# Altium PCB PCB - v4.PcbDoc (part 1 of 2)
Units mm, origin at the board's own origin, x right, y up, seen from the top; angles counter-clockwise.
Board outline 110.49 x 52.83 mm, 4 copper layers (Top Layer, Int1 (GND), Int2 (PWR), Bottom Layer), stack 1.369 mm thick; 176 components, 118 nets, 735 pads, 435 vias.
Unrouted connection lines stored in the file: 1.
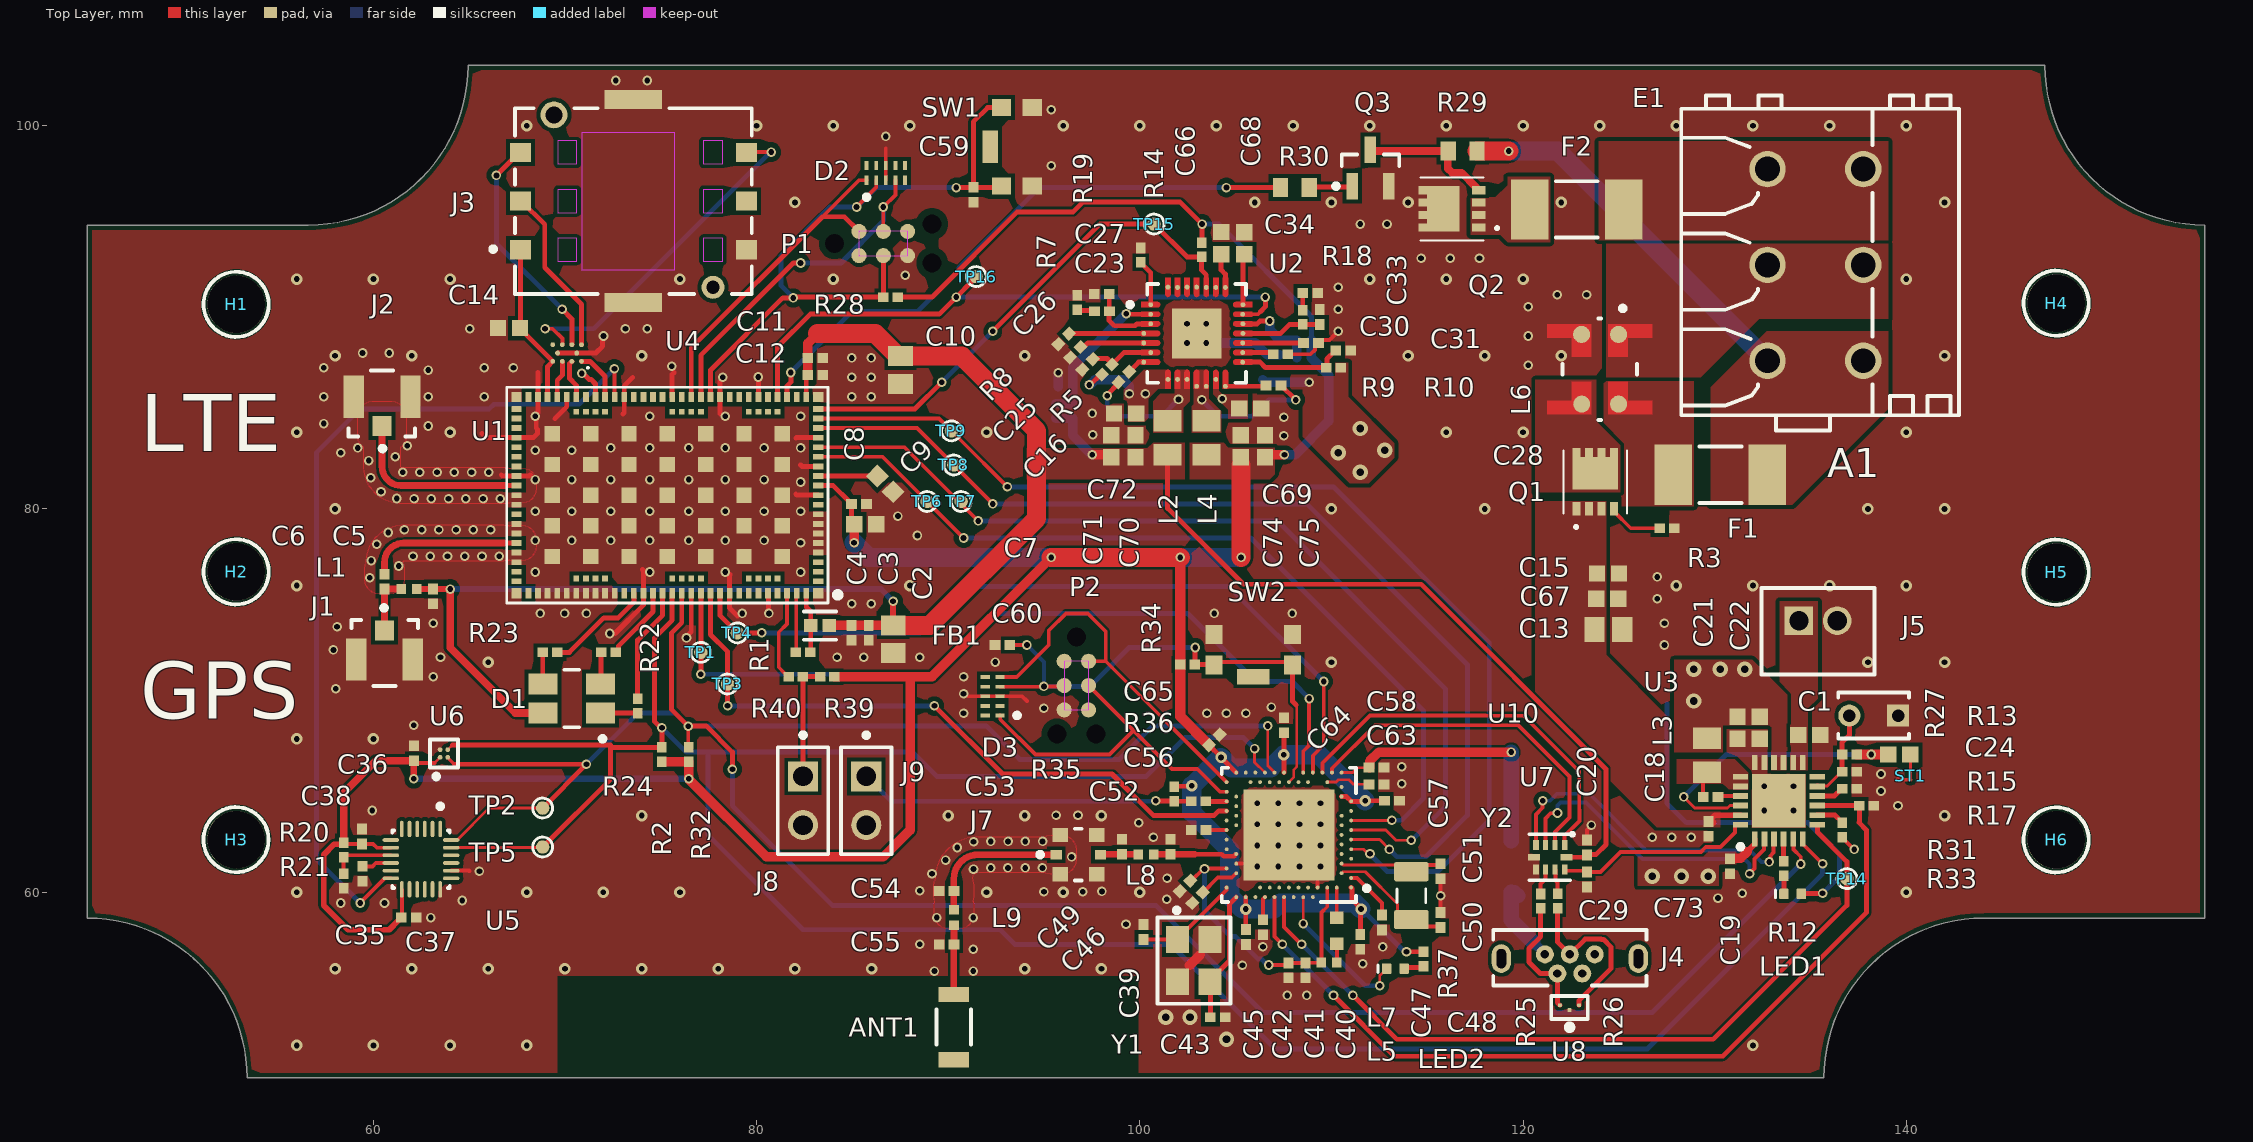
[diagram p0: Top Layer view]
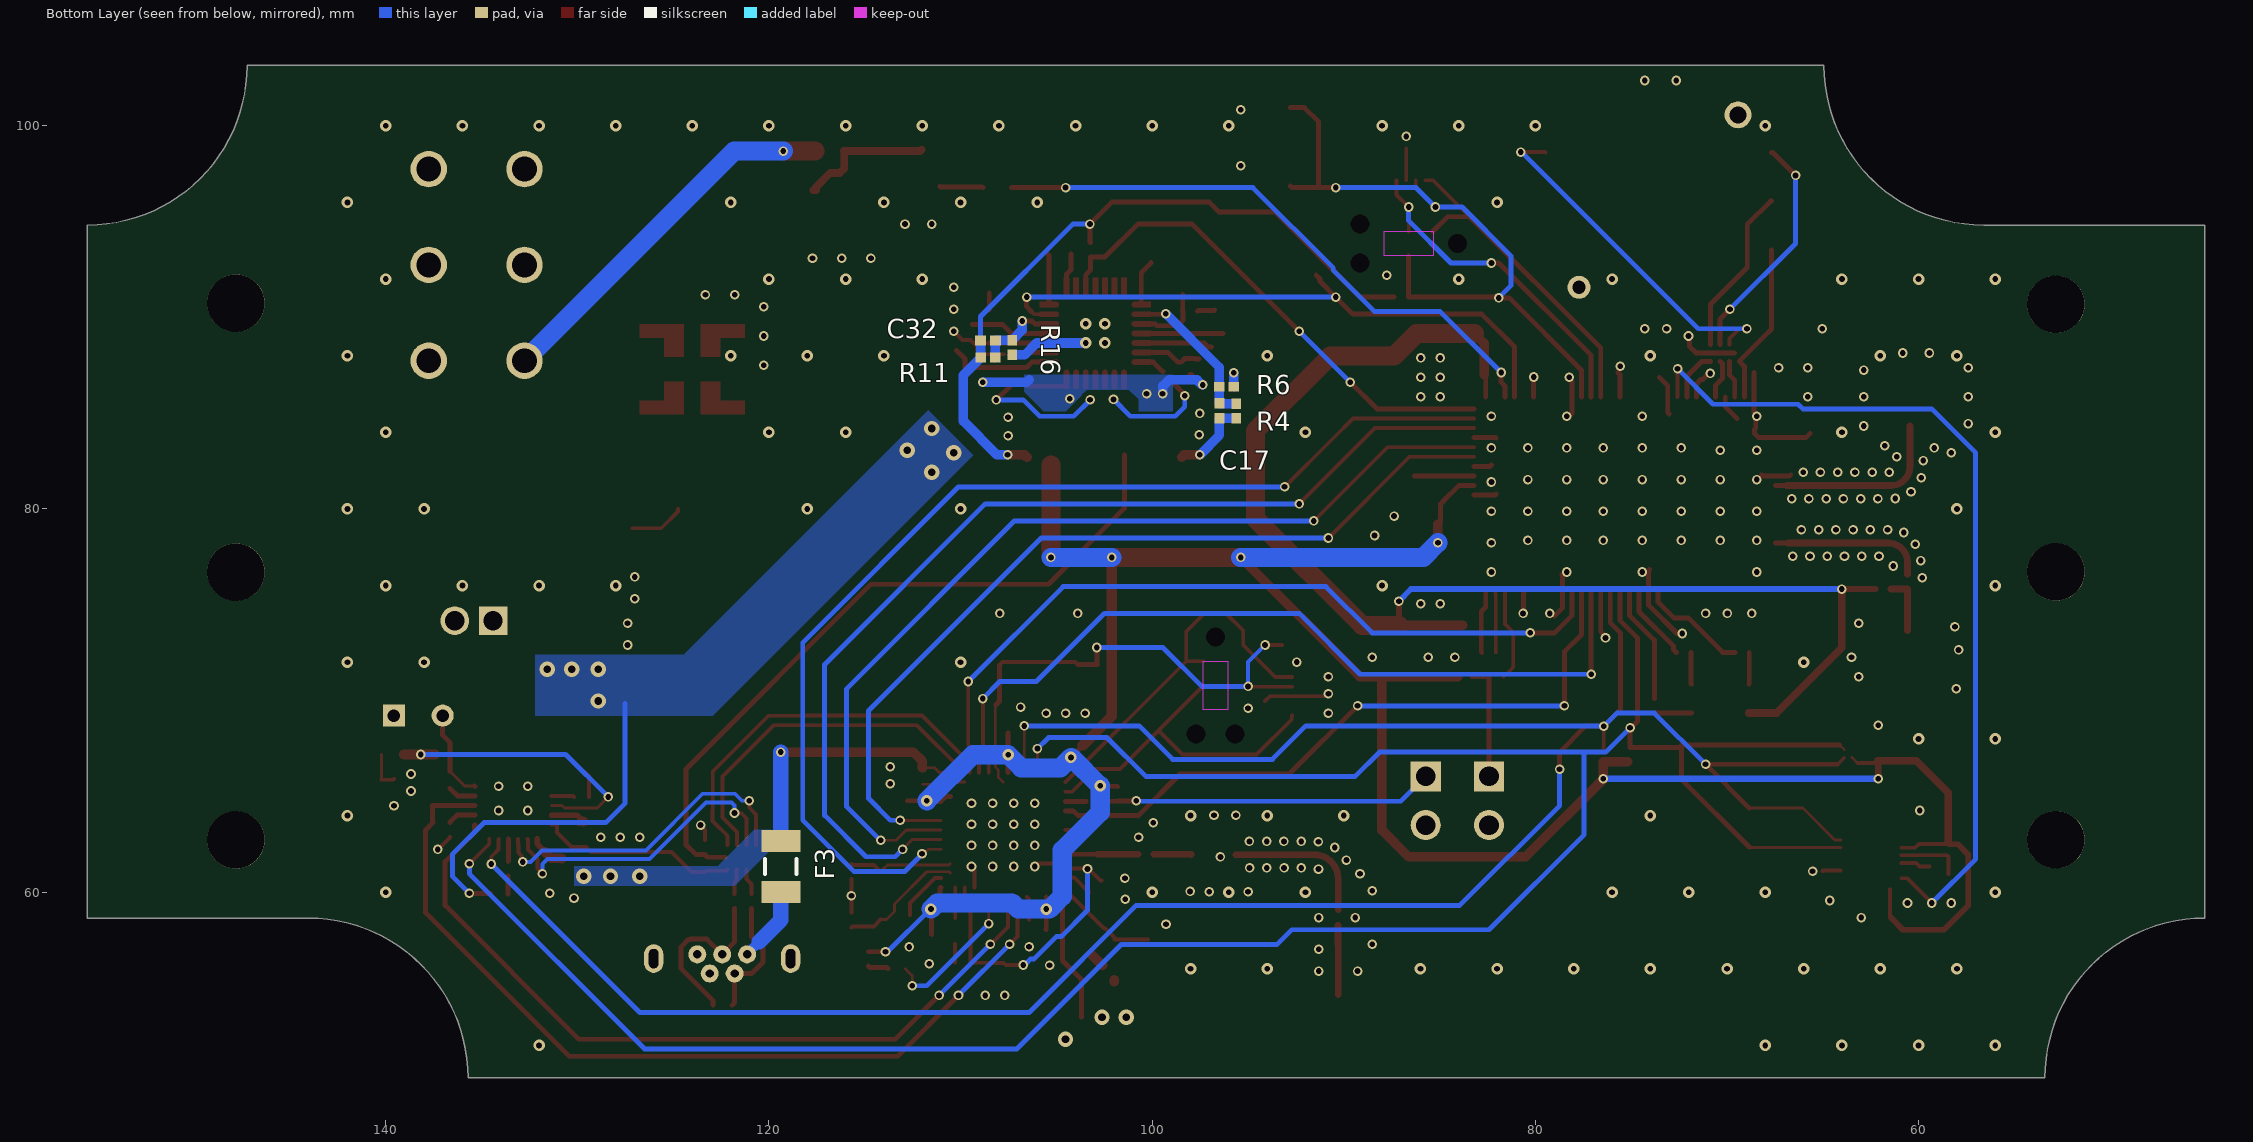
[diagram p1: Bottom Layer view, seen from below]
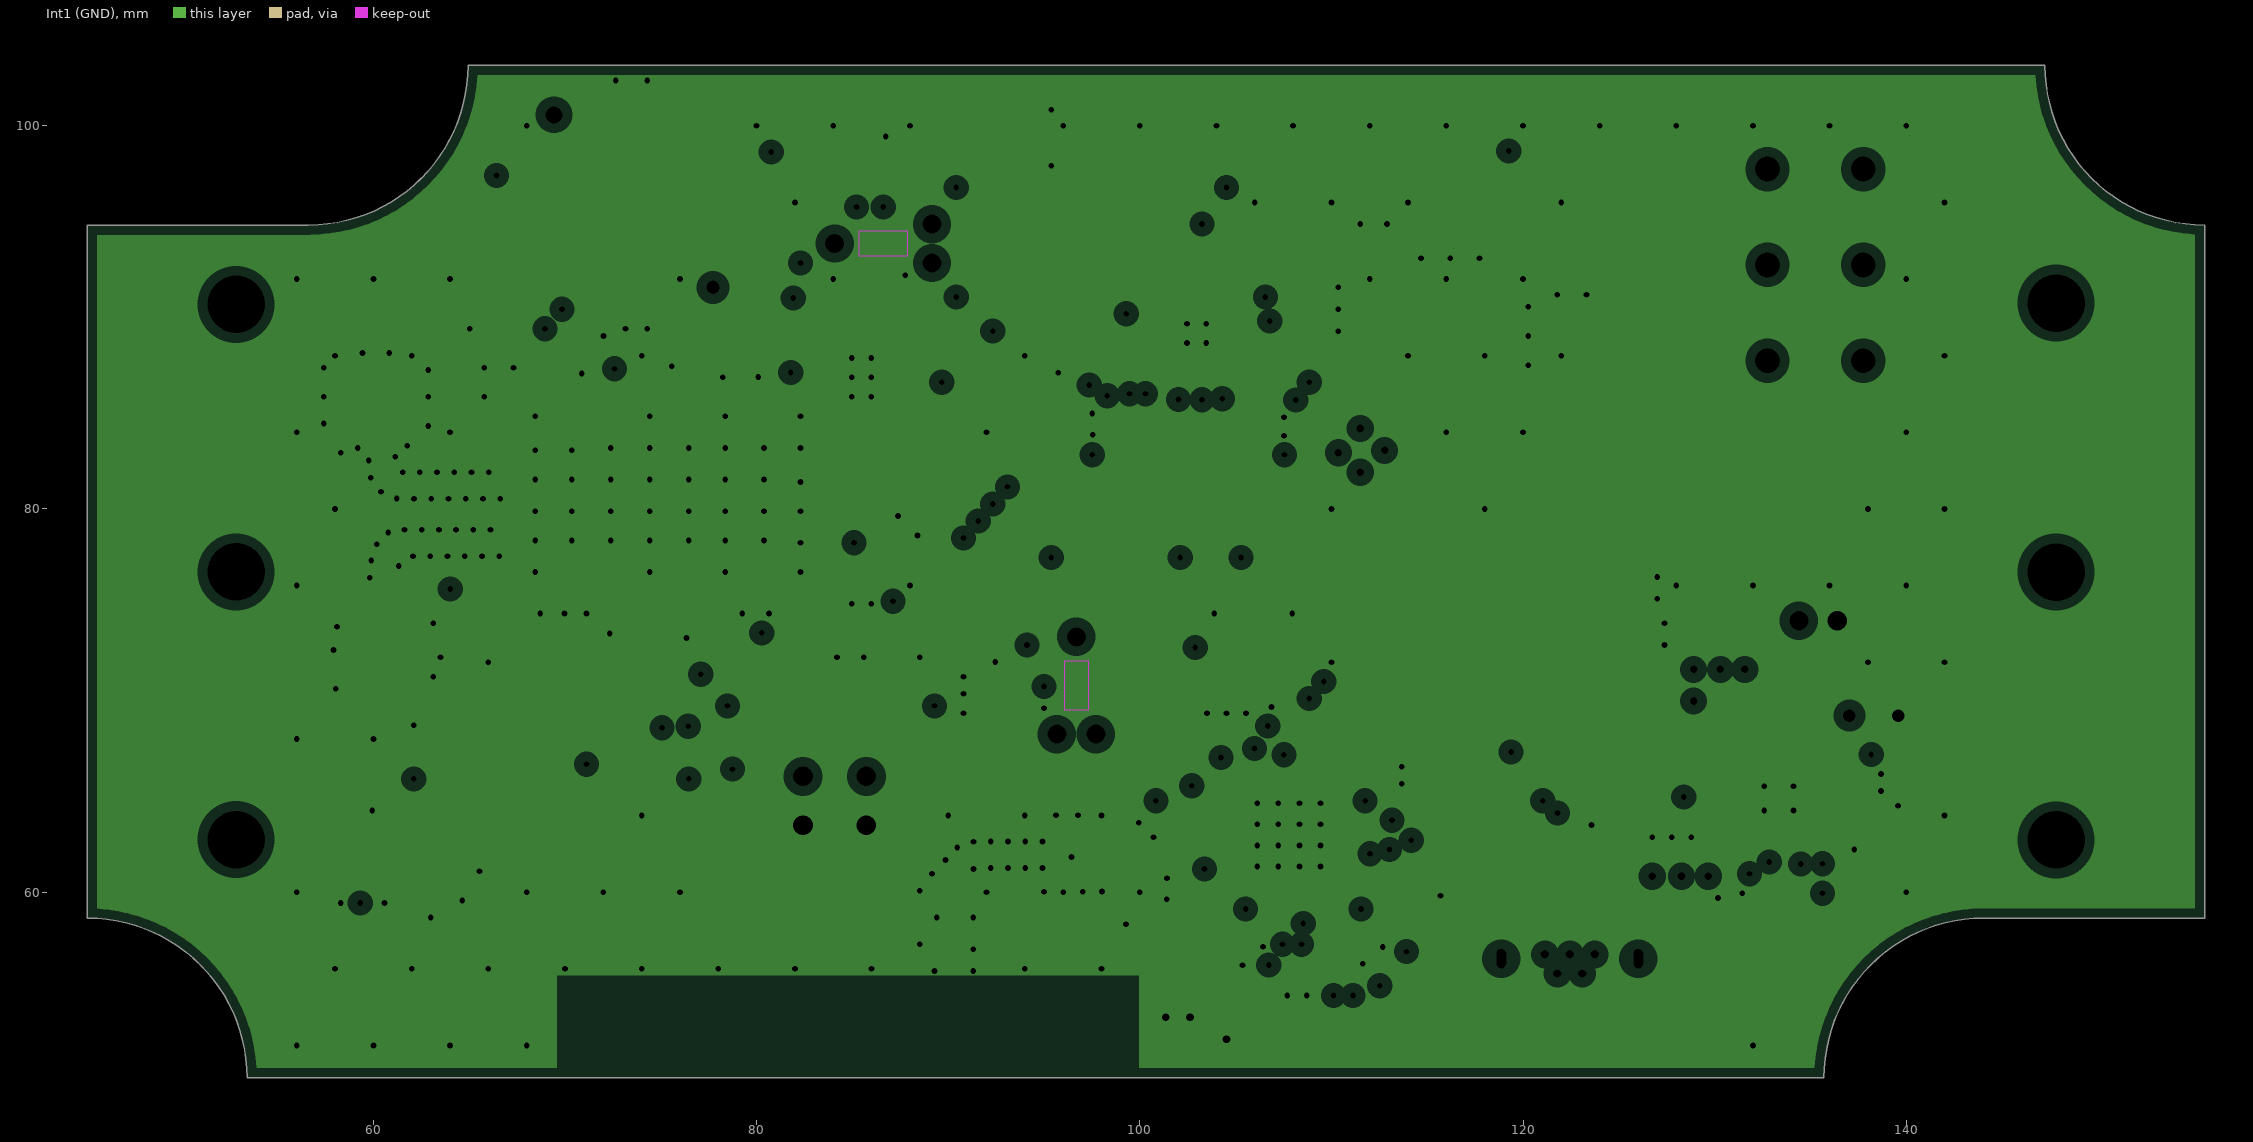
[diagram p2: Int1 (GND), clearances drawn from the general rule]
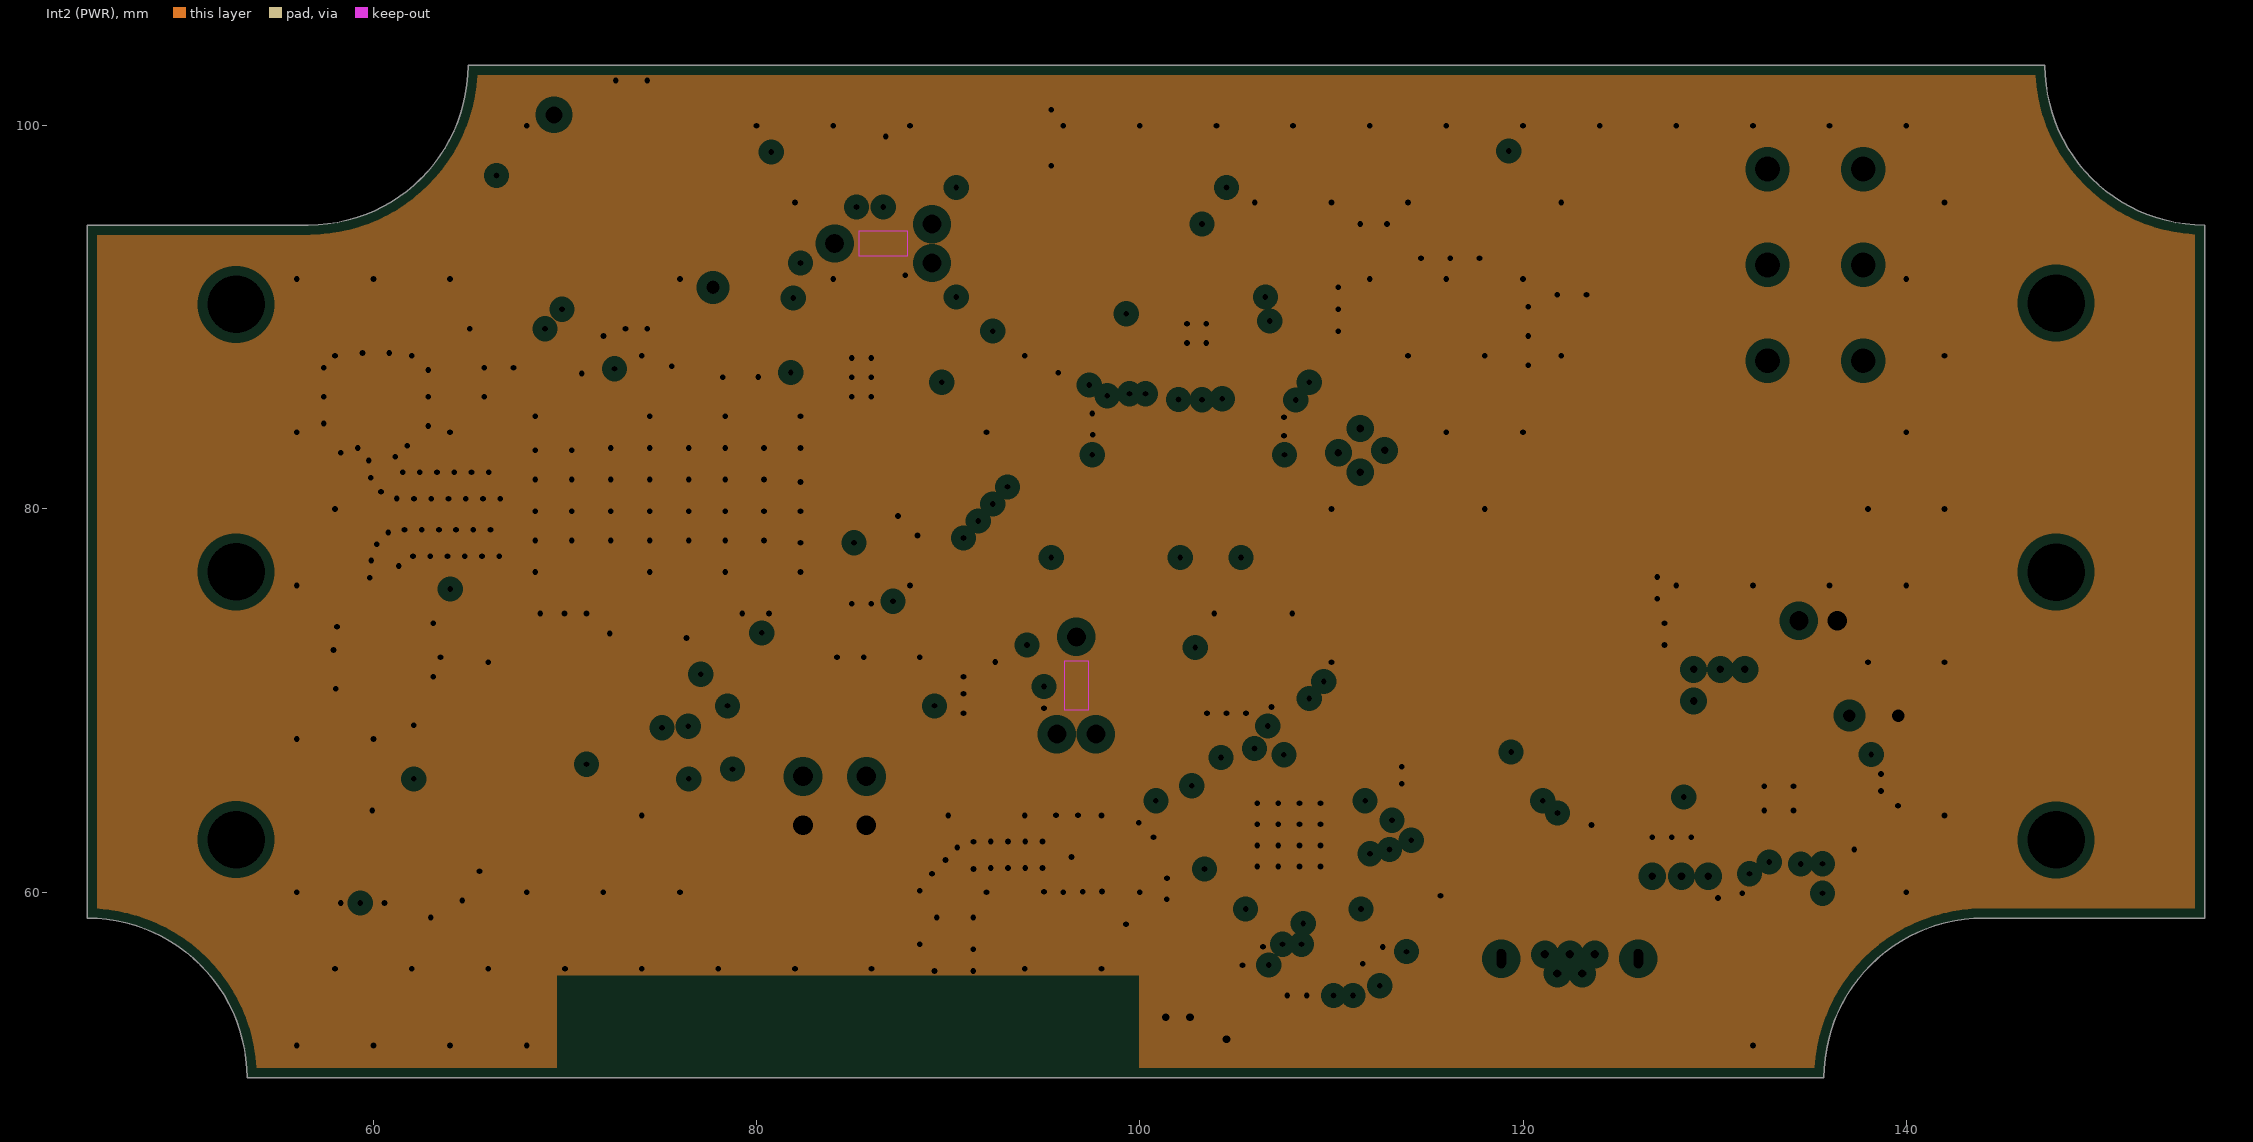
[diagram p3: Int2 (PWR), clearances drawn from the general rule]
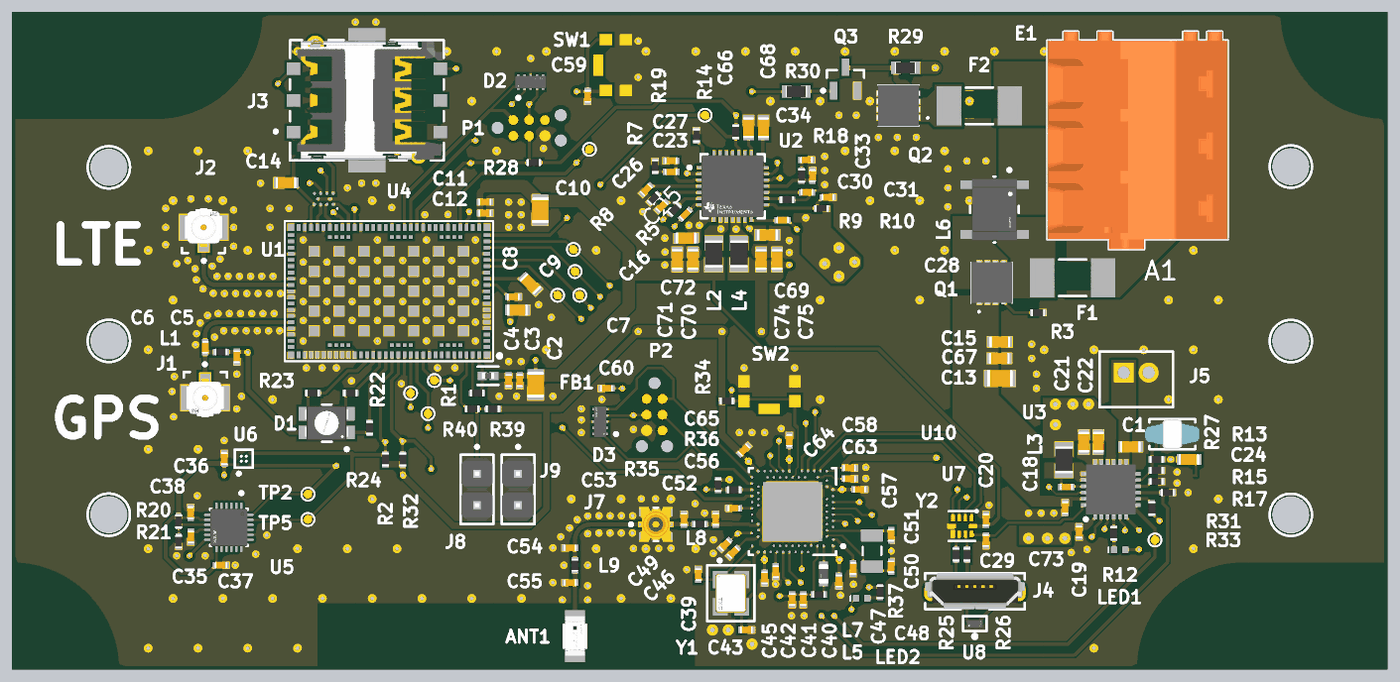
[diagram p5: 3D render of the assembled board from above, using the file's embedded part models]
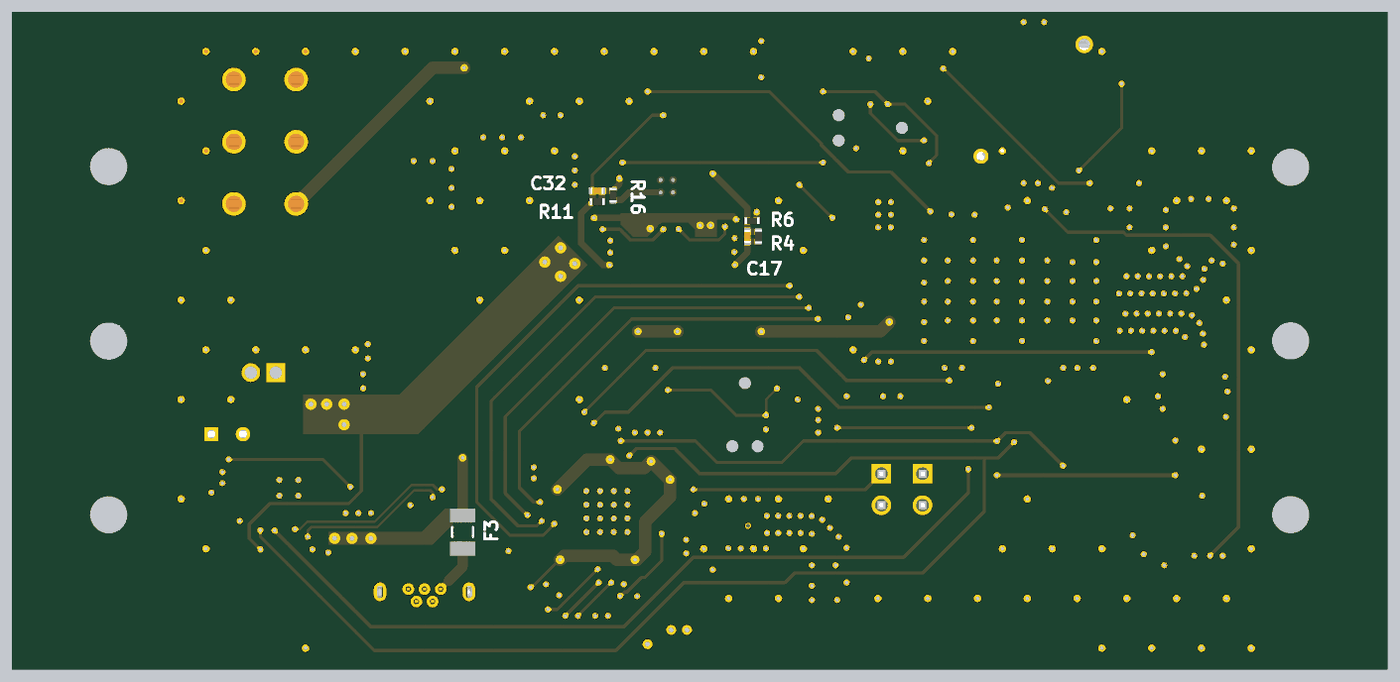
[diagram p6: 3D render of the assembled board from below, using the file's embedded part models]

## Layer stack, top to bottom
Top Solder: solder mask 0.0254, SM-001, Dk 4
Top Layer: signal copper 0.035
Dielectric 1: prepreg 0.1295, PP-017, Dk 4.3
Dielectric 2: prepreg 0.1295, PP-017, Dk 4.3
Int1 (GND): plane copper 0.035, net GND
Dielectric 3: core 0.7112, Core-039, Dk 4.8
Int2 (PWR): plane copper 0.035, net GND
Dielectric 4: prepreg 0.1295, PP-017, Dk 4.3
Dielectric 5: prepreg 0.1295, PP-017, Dk 4.3
Bottom Layer: signal copper 0.035
Bottom Solder: solder mask 0.0254, SM-001, Dk 4

## Board outline
53.41,50.313 ccw(c45.079,50.313) 45.079,58.644 45.079,94.814 56.61,94.814 ccw(c56.61,103.145) 64.941,103.145 147.237,103.145 ccw(c155.569,103.145) 155.569,94.814 155.569,58.644 144.037,58.644 ccw(c144.037,50.313) 135.706,50.313

## Design rules (kind name [scope] priority, off if disabled: settings)
BoardOutlineClearance [All] p1: gap=0.254 ignorepadtopadclearanceinfootprint=FALSE
Clearance [All] p1: gap=0.2 ignorepadtopadclearanceinfootprint=FALSE except(0: Arc-Text Track-Text SMDPad-Text THPad-Text Via-Text Fill-Text Poly-Text Region-Text Text-Text Text-Hole; 0.09: Arc-Arc Arc-Track Track-Track; 0.127: Arc-Fill Arc-Poly Arc-Region Track-Fill Track-Poly Track-Region SMDPad-SMDPad; 0.14: Arc-SMDPad Track-SMDPad; 0.254: Arc-Via Track-Via SMDPad-Via THPad-Via Via-Fill Via-Poly Via-Region; 0.33: Arc-Hole Track-Hole SMDPad-Hole THPad-Hole Fill-Hole Poly-Hole Region-Hole; 0.5: Via-Via Via-Hole)
ComponentClearance [OnLayer('Mechanical Layer 68')] p1: gap=0 collisioncheckmode=3 verticalgap=0 showdistances=FALSE
ComponentClearance ComponentClearance_1 [All] p2: gap=0.254 collisioncheckmode=3 verticalgap=0.254 showdistances=FALSE
DiffPairsRouting [All] p1: maxlimit=0.254 minlimit=0.254 mostfreqgap=0.254 toplayer_minwidth=0.14 toplayer_maxwidth=1 toplayer_prefwidth=0.381 bottomlayer_minwidth=0.14 bottomlayer_maxwidth=1 bottomlayer_prefwidth=0.381 maxuncoupledlength=12.7
HoleSize "NPTH Slot" [(ObjectKind = 'Pad') And (PadIsPlated = 'False') And (HoleType = 'Slot')] p1: absolutevalues=TRUE maxlimit=2.54 minlimit=1 maxpercent=80.000 minpercent=20.000
HoleSize "PTH Slot" [(ObjectKind = 'Pad') And (PadIsPlated = 'True') And (HoleType = 'Slot')] p2: absolutevalues=TRUE maxlimit=2.54 minlimit=0.5 maxpercent=80.000 minpercent=20.000
HoleSize [All] p3: absolutevalues=TRUE maxlimit=6.3 minlimit=0.2 maxpercent=80.000 minpercent=20.000
MatchedLengths [InDifferentialPair('D')] p1: tolerance=25.4 checknetsindiffpair=FALSE checkdiffpairvsdiffpair=TRUE checkxsignals=TRUE checkothers=TRUE
MaxMinImpedance "USB Impedance" [InNetClass('USB')] p1: minimum=85.00 maximum=95.00
MaxMinImpedance "RF Impedance" [InNetClass('RF')] p2: minimum=45.00 maximum=55.00
MinimumAnnularRing Via [IsVia] p1: minimumring=0.1
MinimumSolderMaskSliver [All] p1: minsoldermaskwidth=0.1
PlaneClearance [All] p1: clearance=0.508
PlaneConnect [All] p1: planeconnectstyle=Direct reliefexpansion=0.508 reliefentries=4 reliefconductorwidth=0.254 reliefairgap=0.254
PolygonConnect [All] p1: connectstyle=Direct reliefconductorwidth=0.254 reliefentries=4 polygonreliefangle="90 Angle" airgapwidth=0.254
RoutingVias [All] p1: holewidth=0.25 width=0.25 viastyle="Through Hole" minholewidth=0.2 minwidth=0.5 maxholewidth=6.3 maxwidth=6.3
SilkToSilkClearance [All] p1: silktosilkclearance=0.15
SilkToSolderMaskClearance [IsPad] p1: minsilkscreentomaskgap=0.15 clearancetoexposedcopper=TRUE
SolderMaskExpansion [All] p1: expansion=0.05 istentingtop=FALSE
SupplyNets "Schematic Supply Nets" [InNet('NetE1_A1')] p1: voltage=14.00
Width [All] p1: maxlimit=2.5 minlimit=0.13 preferedwidth=0.254 minimp=50.000000 maximp=50.000000 favimp=50.000000
22 further rules are at their usual default settings.

## Classes and differential pairs
differential pair class USB: D D_BM D_CONN D_MCU
net class USB: D_BM_N D_BM_P D_CONN_N D_CONN_P D_MCU_N D_MCU_P D_N D_P
net class RF: BLE_ANT GPS_RF1 GPS_RF2 LTE_RF
net class "High Power": NetE1_A1 NetF2_2
component class Sensors: C14 C35 C36 C37 C38 D1 F2 J3 Q2 Q3 R20 R21 R22 R23 R24 R29 R30 U4 U5 U6
component class Power: C1 C13 C15 C16 C17 C18 C19 C21 C22 C23 C24 C25 C26 C27 C28 C29 C30 C31 C32 C33 C34 C66 C67 C68 C69 C70 C71 C72 C73 C74 C75 F1 L2 L3 L4 L6 LED1 Q1 R3 R4 R5 R6 R7 R8 R9 R10 R11 R12 R13 R14 R15 R16 R17 R18 R19 R27 R31 R33 ST1 TP14 TP15 TP16 U2 U3
component class Connectors: C20 D2 D3 E1 F3 H1 H2 H3 H4 H5 H6 J4 J5 P1 P2 R25 R26 U7 U8
component class 52840: ANT1 C39 C40 C41 C42 C43 C45 C46 C47 C48 C49 C50 C51 C52 C53 C54 C55 C56 C57 C58 C60 C63 C64 C65 J7 J9 L5 L7 L8 L9 LED2 R34 R35 R36 R37 SW2 U10 Y1 Y2
component class 9160: C2 C3 C4 C5 C6 C7 C8 C9 C10 C11 C12 C59 FB1 J1 J2 J8 L1 R1 R2 R28 R32 R39 R40 SW1 TP1 TP2 TP3 TP4 TP5 TP6 TP7 TP8 TP9 U1
differential pair D: +D_P -D_N
differential pair D_MCU: +D_MCU_P -D_MCU_N
differential pair D_CONN: +D_CONN_P -D_CONN_N
differential pair D_BM: +D_BM_P -D_BM_N

## Components (designator, comment, footprint, x,y, rotation, side; value= is the part's Value field where it differs from the comment)
ANT1 "AMCA31-2R450G-S1F-T3" FP-AMCA31-MFG 90.297,52.959 r270 top
C1 "Capacitor 0603" "CAPC1608X90X40LL10T20 HD" 134.934,68.199 r180 top value=?F
C2 "Capacitor 0805" "CAPC2013X95X50LL10T25 HD" 87.134,73.201 r90 top value=?F
C3 "Capacitor 0402" "CAPC1005X55X25LL05T10 HD" 85.853,73.533 r90 top value=?F
C4 "Capacitor 0402" "CAPC1005X55X25LL05T10 HD" 84.964,73.533 r90 top value=100n
C5 "Capacitor 0402" "CAPC1005X55X25LL05T10 HD" 63.119,75.438 r270 top value=100n
C6 "Capacitor 0402" "CAPC1005X55X25LL05T10 HD" 60.579,76.209 r90 top value=?F
C7 "Capacitor 0603" "CAPC1608X90X40LL10T20 HD" 85.667,79.2 r180 top value=?F
C8 "Capacitor 0402" "CAPC1005X55X25LL05T10 HD" 85.344,80.264 r180 top value=?F
C9 "Capacitor 0603" "CAPC1608X90X40LL10T20 HD" 86.715,81.306 r135 top value=?F
C10 "Capacitor 0805" "CAPC2013X95X50LL10T25 HD" 87.503,87.249 r90 top value=?F
C11 "Capacitor 0402" "CAPC1005X55X25LL05T10 HD" 83.058,87.884 r180 top value=?F
C12 "Capacitor 0402" "CAPC1005X55X25LL05T10 HD" 83.058,86.995 r180 top value=?F
C13 "Capacitor 0805" "CAPC2013X95X50LL10T25 HD" 124.457,73.707 r180 top value=?F
C14 "Capacitor 0603" "CAPC1608X90X40LL10T20 HD" 67.079,89.439 r0 top value=?F
C15 "Capacitor 0603" "CAPC1608X90X40LL10T20 HD" 124.437,76.636 r180 top value=?F
C16 "Capacitor 0402" "CAPC1005X55X25LL05T10 HD" 99.166,86.889 r225 top value=?F
C17 "Capacitor 0402" "CAPC1005X55X25LL05T10 HD" 96.499,85.12 r270 bottom value=?F
C18 "Capacitor 0402" "CAPC1005X55X25LL05T10 HD" 129.791,64.968 r180 top value=?F
C19 "Capacitor 0402" "CAPC1005X55X25LL05T10 HD" 130.81,61.35 r90 top value=?F
C20 "Capacitor 0402" "CAPC1005X55X25LL05T10 HD" 123.331,62.333 r270 top value=100n
C21 "Capacitor 0603" "CAPC1608X90X40LL10T20 HD" 131.191,68.58 r90 top value=?F
C22 "Capacitor 0603" "CAPC1608X90X40LL10T20 HD" 132.355,68.579 r90 top value=?F
C23 "Capacitor 0402" "CAPC1005X55X25LL05T10 HD" 98.023,90.318 r180 top value=?F
C24 "Capacitor 0603" "CAPC1608X90X40LL10T20 HD" 139.64,67.183 r0 top value=?F
C25 "Capacitor 0402" "CAPC1005X55X25LL05T10 HD" 97.278,87.545 r45 top value=?F
C26 "Capacitor 0402" "CAPC1005X55X25LL05T10 HD" 96.031,88.875 r45 top value=?F
C27 "Capacitor 0402" "CAPC1005X55X25LL05T10 HD" 98.014,91.207 r0 top value=?F
C28 "Capacitor 0402" "CAPC1005X55X25LL05T10 HD" 106.982,86.433 r0 top value=?F
C29 "Capacitor 0402" "CAPC1005X55X25LL05T10 HD" 123.331,60.664 r90 top value=?F
C30 "Capacitor 0402" "CAPC1005X55X25LL05T10 HD" 110.617,88.265 r180 top value=?F
C31 "Capacitor 0402" "CAPC1005X55X25LL05T10 HD" 108.936,88.667 r180 top value=?F
C32 "Capacitor 0402" "CAPC1005X55X25LL05T10 HD" 108.573,88.794 r0 bottom value=?F
C33 "Capacitor 0402" "CAPC1005X55X25LL05T10 HD" 109.391,90.014 r270 top value=?F
C34 "Capacitor 0402" "CAPC1005X55X25LL05T10 HD" 108.897,91.28 r180 top value=?F
C35 "Capacitor 0402" "CAPC1005X55X25LL05T10 HD" 59.424,60.956 r90 top value=?F
C36 "Capacitor 0402" "CAPC1005X55X25LL05T10 HD" 62.12,67.248 r270 top value=100n
C37 "Capacitor 0402" "CAPC1005X55X25LL05T10 HD" 61.849,58.674 r180 top value=100n
C38 "Capacitor 0402" "CAPC1005X55X25LL05T10 HD" 59.41,62.904 r270 top value=100n
C39 "Capacitor 0402" "CAPC1005X55X25LL05T10 HD" 100.203,57.921 r270 top value=?F
C40 "Capacitor 0402" "CAPC1005X55X25LL05T10 HD" 108.639,55.917 r90 top value=?F
C41 "Capacitor 0402" "CAPC1005X55X25LL05T10 HD" 107.75,55.917 r90 top value=?F
C42 "Capacitor 0402" "CAPC1005X55X25LL05T10 HD" 106.426,58.166 r90 top value=?F
C43 "Capacitor 0402" "CAPC1005X55X25LL05T10 HD" 104.072,53.471 r180 top value=?F
C45 "Capacitor 0402" "CAPC1005X55X25LL05T10 HD" 105.537,57.658 r90 top value=?F
C46 "Capacitor 0402" "CAPC1005X55X25LL05T10 HD" 103.019,59.712 r45 top value=?F
C47 "Capacitor 0402" "CAPC1005X55X25LL05T10 HD" 112.649,58.42 r90 top value=?F
C48 "Capacitor 0402" "CAPC1005X55X25LL05T10 HD" 111.506,57.404 r90 top value=?F
C49 "Capacitor 0402" "CAPC1005X55X25LL05T10 HD" 102.362,60.325 r45 top value=?F
C50 "Capacitor 0402" "CAPC1005X55X25LL05T10 HD" 115.697,58.547 r270 top value=?F
C51 "Capacitor 0402" "CAPC1005X55X25LL05T10 HD" 115.697,61.087 r90 top value=?F
C52 "Capacitor 0402" "CAPC1005X55X25LL05T10 HD" 101.6,62.366 r270 top value=?F
C53 "Capacitor 0402" "CAPC1005X55X25LL05T10 HD" 99.06,62.366 r270 top value=?F
C54 "Capacitor 0402" "CAPC1005X55X25LL05T10 HD" 89.907,60.071 r0 top value=?F
C55 "Capacitor 0402" "CAPC1005X55X25LL05T10 HD" 89.916,57.277 r0 top value=?F
C56 "Capacitor 0402" "CAPC1005X55X25LL05T10 HD" 103.07,63.255 r0 top value=?F
C57 "Capacitor 0402" "CAPC1005X55X25LL05T10 HD" 113.166,64.77 r180 top value=?F
C58 "Capacitor 0402" "CAPC1005X55X25LL05T10 HD" 112.358,66.496 r180 top value=?F
C59 "Capacitor 0402" "CAPC1005X55X25LL05T10 HD" 91.313,96.393 r90 top value=100n
C60 "Capacitor 0402" "CAPC1005X55X25LL05T10 HD" 92.828,72.898 r0 top value=100n
C63 "Capacitor 0402" "CAPC1005X55X25LL05T10 HD" 112.358,65.629 r180 top value=?F
C64 "Capacitor 0402" "CAPC1005X55X25LL05T10 HD" 107.523,68.712 r270 top value=?F
C65 "Capacitor 0402" "CAPC1005X55X25LL05T10 HD" 103.888,67.948 r225 top value=?F
C66 "Capacitor 0603" "CAPC1608X90X40LL10T20 HD" 104.246,93.874 r270 top value=?F
C67 "Capacitor 0603" "CAPC1608X90X40LL10T20 HD" 124.393,75.311 r180 top value=?F
C68 "Capacitor 0603" "CAPC1608X90X40LL10T20 HD" 105.449,93.872 r270 top value=?F
C69 "Capacitor 0603" "CAPC1608X90X40LL10T20 HD" 105.77,85.238 r180 top value=?F
C70 "Capacitor 0603" "CAPC1608X90X40LL10T20 HD" 99.781,83.272 r270 top value=?F
C71 "Capacitor 0603" "CAPC1608X90X40LL10T20 HD" 98.511,83.272 r270 top value=?F
C72 "Capacitor 0603" "CAPC1608X90X40LL10T20 HD" 99.233,84.984 r0 top value=?F
C73 "Capacitor 0402" "CAPC1005X55X25LL05T10 HD" 129.692,63.302 r90 top value=?F
C74 "Capacitor 0603" "CAPC1608X90X40LL10T20 HD" 105.262,83.266 r270 top value=?F
C75 "Capacitor 0603" "CAPC1608X90X40LL10T20 HD" 106.532,83.266 r270 top value=?F
D1 "ASMB-BTE1-0B332 RGB LED" FP-ASMB-BTE1-0B332-MFG 70.358,70.104 r90 top
D2 "PUSB3FA0" FP-SOT1176-1-MFG 86.741,97.542 r180 top
D3 "PUSB3FA0" FP-SOT1176-1-MFG 92.323,70.223 r270 top
E1 "1913820000" LMZF_5_135_03 135.509,92.837 r270 top
F1 "0451005.MRL" FP-0451-MFG 130.302,81.788 r180 top value=0.0125Ω
F2 "0451005.MRL" FP-0451-MFG 122.809,95.631 r180 top value=0.0125Ω
F3 "0468001.NR" FP-0468-MFG 119.38,61.341 r90 bottom value=0.079Ω
FB1 "BLM15PX121SN1D" FP-BLM15-0_05-d0_7-IPC_A 83.312,73.914 r180 top
H1 "Hole_3MM_NP" Hole_3MM_NP-Footprint-1 52.832,90.678 r0 top value=3mm,N.P
H2 "Hole_3MM_NP" Hole_3MM_NP-Footprint-1 52.832,76.716 r0 top value=3mm,N.P
H3 "Hole_3MM_NP" Hole_3MM_NP-Footprint-1 52.827,62.736 r0 top value=3mm,N.P
H4 "Hole_3MM_NP" Hole_3MM_NP-Footprint-1 147.819,90.737 r0 top value=3mm,N.P
H5 "Hole_3MM_NP" Hole_3MM_NP-Footprint-1 147.819,76.702 r0 top value=3mm,N.P